# Altium PCB WIFI_HOME_SECURITY_SYS-V01.PcbDoc (part 1 of 3) (continued)
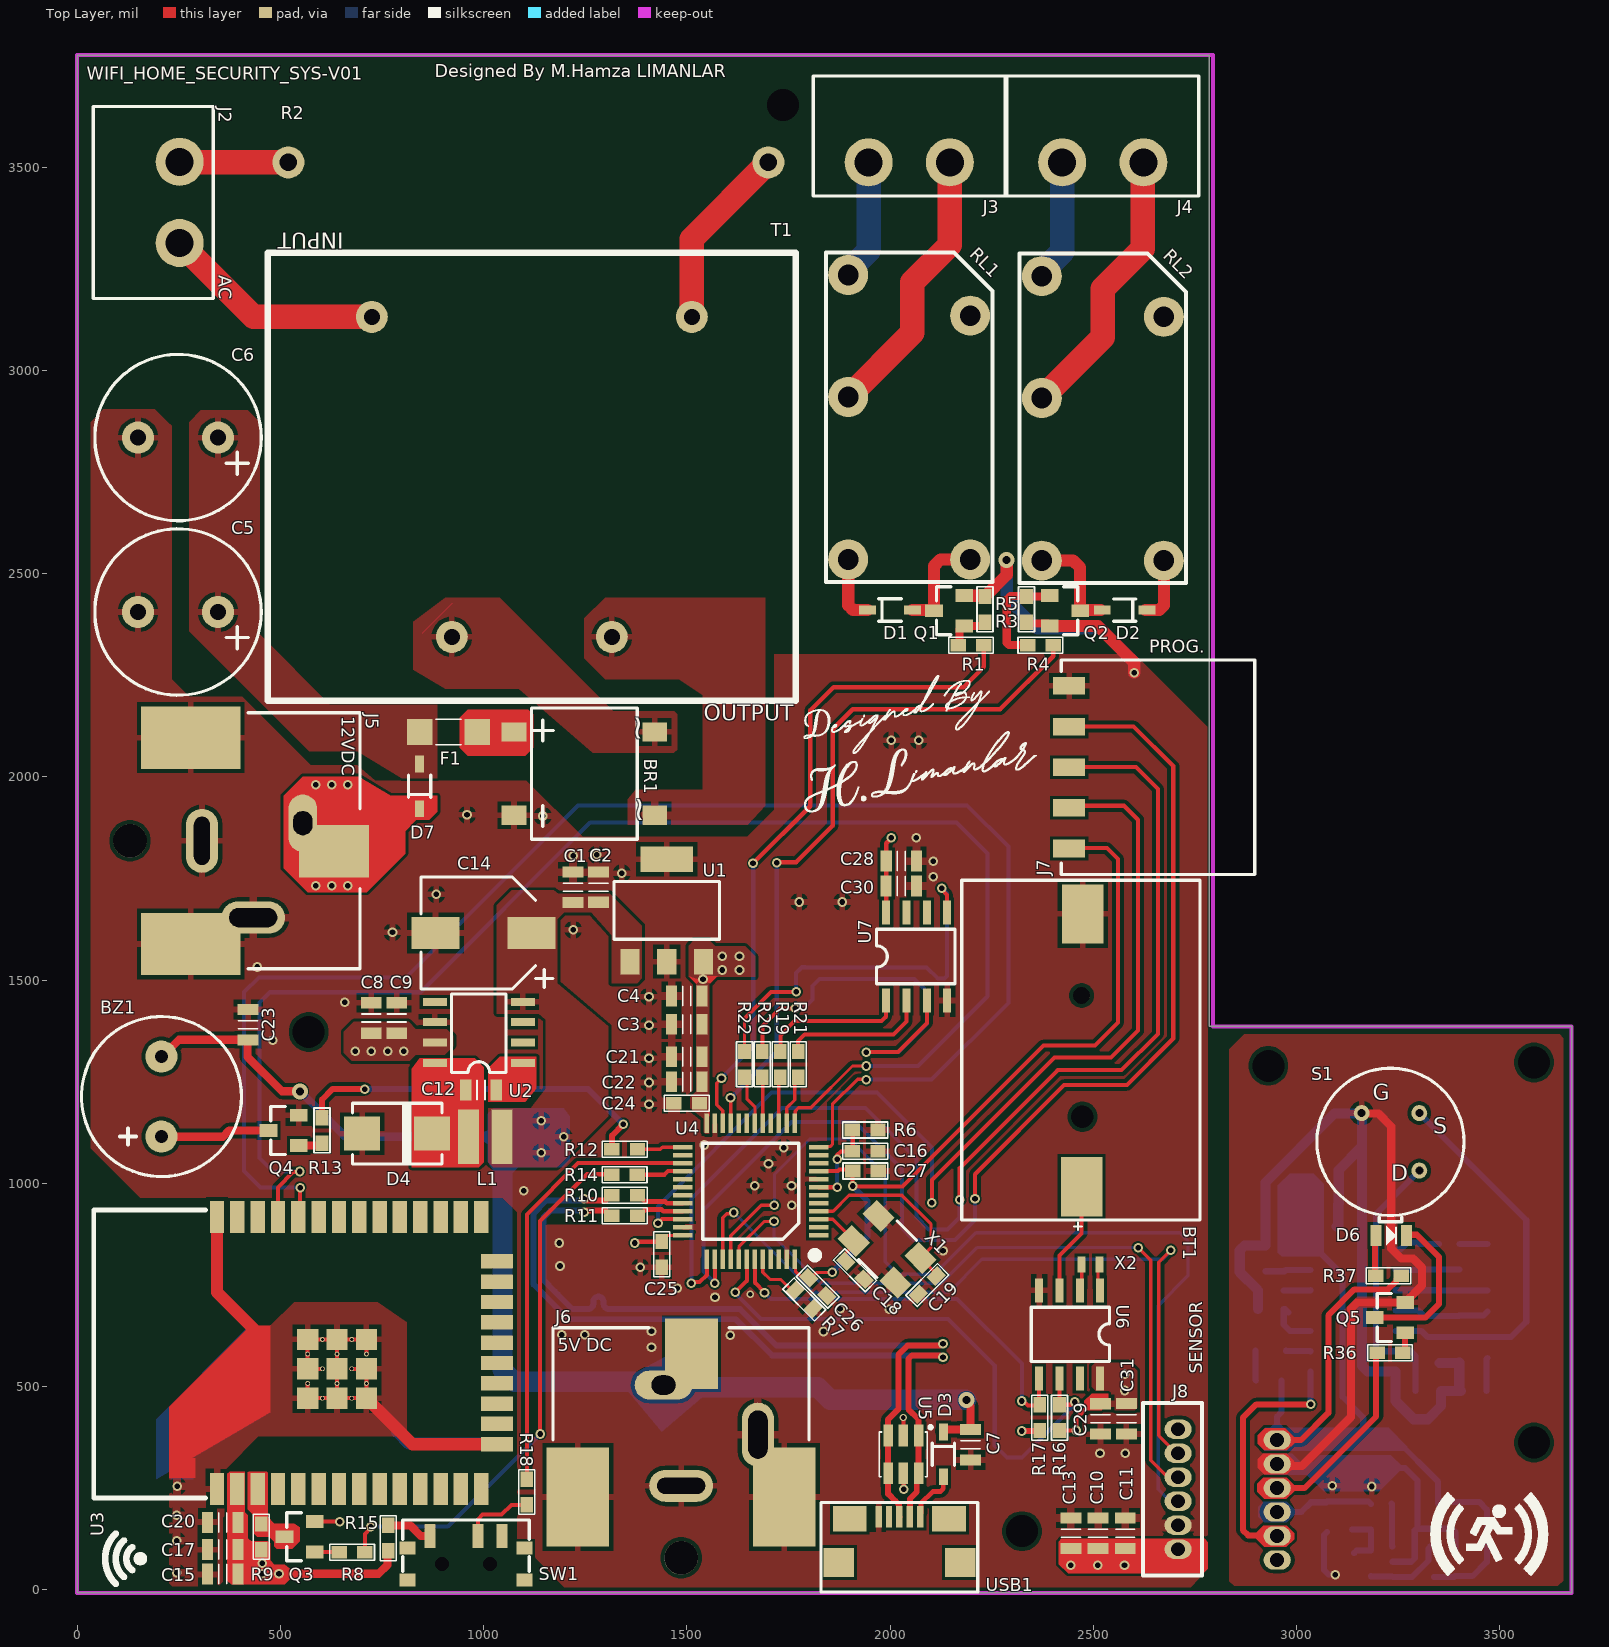
[diagram p0: Top Layer view]
## Design rules (kind name [scope] priority, off if disabled: settings)
Clearance [All] p1: gap=7 ignorepadtopadclearanceinfootprint=TRUE except(0: Arc-Text Track-Text SMDPad-Text THPad-Text Via-Text Fill-Text Poly-Text Region-Text Text-Text Text-Hole; 2: Via-Fill Via-Poly Via-Region; 8: SMDPad-SMDPad SMDPad-THPad THPad-THPad; 9: Arc-Fill Arc-Poly Arc-Region Arc-Hole Track-Fill Track-Poly Track-Region Track-Hole SMDPad-Hole THPad-Fill THPad-Poly THPad-Region THPad-Hole Via-Hole Fill-Hole Poly-Hole Region-Hole; 10: Arc-THPad Track-THPad SMDPad-Via THPad-Via Via-Via)
ComponentClearance [All] p1: gap=5 collisioncheckmode=3 verticalgap=0 showdistances=FALSE
DiffPairsRouting [InDifferentialPair('MCU_USB')] p1: maxlimit=8.2 minlimit=8.2 mostfreqgap=8.2 toplayer_minwidth=12 toplayer_maxwidth=12 toplayer_prefwidth=12 bottomlayer_minwidth=12 bottomlayer_maxwidth=12 bottomlayer_prefwidth=12 impedanceprofiledriven=TRUE impedanceprofileid={E4C16ACB-F31E-4A5A-8822-2CF3088C9518} impedanceprofilevalue=90.000000 maxuncoupledlength=500
DiffPairsRouting DiffPairsRouting_1 [All] p2: maxlimit=10 minlimit=10 mostfreqgap=10 toplayer_minwidth=14.7 toplayer_maxwidth=14.7 toplayer_prefwidth=14.7 bottomlayer_minwidth=14.7 bottomlayer_maxwidth=14.7 bottomlayer_prefwidth=14.7 impedanceprofiledriven=TRUE impedanceprofileid={B67E9D03-1B29-4825-BEE4-B143490A4744} impedanceprofilevalue=90.000000 maxuncoupledlength=500
MinimumSolderMaskSliver [All] p1: minsoldermaskwidth=5
NetAntennae [All] p1: netantennaetolerance=10
PlaneClearance [All] p1: clearance=30
PlaneConnect [All] p1: planeconnectstyle=Relief reliefexpansion=15 reliefentries=4 reliefconductorwidth=15 reliefairgap=10
PolygonConnect [All] p1: connectstyle=Relief reliefconductorwidth=15 reliefentries=4 polygonreliefangle="90 Angle" airgapwidth=10
RoutingCorners [All] p1: cornerstyle=45-Degree minsetback=80 maxsetback=80
RoutingVias [All] p1: holewidth=11.81 width=19.68 viastyle="Through Hole" minholewidth=9.84 minwidth=15.75 maxholewidth=19.68 maxwidth=39.37
SMDEntry [All] p1: side=TRUE corner=FALSE anyangle=TRUE
SMDToCorner [All] p1: distance=0
SilkToSilkClearance [All] p1: silktosilkclearance=0
SilkToSolderMaskClearance [IsPad] p1 off: minsilkscreentomaskgap=5 clearancetoexposedcopper=TRUE
SolderMaskExpansion [All] p1: expansion=0.05 istentingtop=FALSE
UnRoutedNet [All] p1: checkbadconnections=TRUE
Width [All] p1: maxlimit=70 minlimit=8 preferedwidth=11 minimp=50.000000 maximp=50.000000 favimp=50.000000
20 further rules are at their usual default settings.

## Classes and differential pairs
component class Power_Managment: BR1 C1 C2 C3 C4 C5 C6 C7 C8 C9 C10 C11 C12 C13 C14 D1 D2 D3 D4 D7 F1 J2 J3 J4 J5 J6 J7 J8 L1 Q1 Q2 R1 R2 R3 R4 R5 RL1 RL2 T1 U1 USB1
component class MCU: BZ1 C15 C16 C17 C18 C19 C20 C21 C22 C23 C24 C25 C26 C27 C28 C29 C30 C31 Q3 Q4 R6 R7 R8 R9 R10 R11 R12 R13 R14 R15 R16 R17 R18 R19 R20 R22 SW1 U3 U4 U5 U6 U7 X1 X2
component class AUX_Sensor_Board: C32 C33 C34 C35 C36 C37 C38 C39 C40 C41 C42 C43 C44 C45 C46 D5 D6 Q5 R23 R24 R25 R26 R27 R28 R29 R30 R31 R32 R33 R34 R35 R36 R37 RT1 S1 U8 U9
differential pair MCU_USB: +MCU_USB_P -MCU_USB_N
differential pair USB: +USB_P -USB_N

## Components (designator, comment, footprint, x,y, rotation, side; value= is the part's Value field where it differs from the comment)
BR1 "DB105STR" DB105STR 1248.03,2007.87 r90 top
BT1 "FOR CR1220" 1056 2473,1327 r270 top
BZ1 "CMI-9605IC-0580T" CMI-9605IC 207.28,1213.19 r180 top
C1 "CL21B105KBFNNNE" CAP_0805 1219.88,1728.15 r270 top
C2 "CL21B104KBCNNNC" CAP_0805 1282.48,1728.54 r270 top
C3 "CL21A475KAQNNNE" CAP_0805 1500,1391.14 r0 top
C4 "CL21B105KBFNNNE" CAP_0805 1500,1460.63 r0 top
C5 "ESH477M050AH4AA" CAP_RADIAL_D10_P5 248.03,2405.51 r180 top
C6 "ESH477M050AH4AA" CAP_RADIAL_D10_P5 248.03,2834.65 r180 top
C7 "CL21A475KAQNNNE" CAP_0805 2198.23,356.3 r90 top
C8 "CL21B105KBFNNNE" CAP_0805 723.43,1406.5 r270 top
C9 "CL21B104KBCNNNC" CAP_0805 786.42,1406.5 r270 top
C10 "CL21A475KAQNNNE" CAP_0805 2512.07,138.69 r270 top
C11 "CL21A475KAQNNNE" CAP_0805 2579,138.69 r270 top
C12 "CL21B104KBCNNNC" CAP_0805 993.57,1229.37 r180 top
C13 "CL21B105KBFNNNE" CAP_0805 2445.14,138.69 r270 top
C14 "EEV686M035A9HAA" CAP_EEVseries 999.8,1615.75 r180 top
C15 "CL21A475KAQNNNE" CAP_0805 358.27,38.19 r0 top
C16 "C0603C104K5RACTU" CAP_0603 1939,1078.83 r180 top
C17 "CL21B105KBFNNNE" CAP_0805 358.27,98.33 r0 top
C18 "CL10C200JB8NNNC" CAP_0603 1913.78,785.83 r135 top
C19 "CL10C200JB8NNNC" CAP_0603 2091.79,749.28 r225 top
C20 "CL21B104KBCNNNC" CAP_0805 358.27,165.35 r0 top
C21 "CL21A475KAQNNNE" CAP_0805 1500,1311.02 r0 top
C22 "CL21B105KBFNNNE" CAP_0805 1499.8,1249.8 r0 top
C23 "CL21B104KBCNNNC" CAP_0805 420.47,1389.96 r270 top
C24 "C0603C104K5RACTU" CAP_0603 1499.8,1197.05 r0 top
C25 "C0603C104K5RACTU" CAP_0603 1437.99,825 r90 top
C26 "C0603C104K5RACTU" CAP_0603 1822,745 r135 top
C27 "C0603C104K5RACTU" CAP_0603 1939.37,1029.92 r180 top
C28 "CL21B105KBFNNNE" CAP_0805 2027.95,1792.52 r180 top
C29 "CL21B104KBCNNNC" CAP_0805 2518,420 r90 top
C30 "CL21B104KBCNNNC" CAP_0805 2027.76,1731.3 r180 top
C31 "CL21B105KBFNNNE" CAP_0805 2581.69,420.28 r90 top
C32 "0603B103K160CT" CAP_0603 3352.06,704.96 r90 bottom
C33 "C3216X5R1E336M160AC" CAP_1206 3469.95,626.94 r90 bottom
C34 "C3216X5R1E336M160AC" CAP_1206 3470.05,793.33 r270 bottom
C35 "C0603C104K5RACTU" CAP_0603 3324.41,488.98 r180 bottom
C36 "0603B103K160CT" CAP_0603 3298.67,818.9 r270 bottom
C37 "CL21A475KAQNNNE" CAP_0805 3104.92,90.16 r0 bottom
C38 "C0603C104K5RACTU" CAP_0603 3352.17,589.37 r90 bottom
C39 "CL21B105KBFNNNE" CAP_0805 3075.39,179.53 r90 bottom
C40 "C0603C104K5RACTU" CAP_0603 3389.76,64.57 r270 bottom
C41 "C0603C104K5RACTU" CAP_0603 2923.82,814.96 r270 bottom
C42 "C0603C104K5RACTU" CAP_0603 3066.93,893.7 r180 bottom
C43 "CL21B105KBFNNNE" CAP_0805 3066.73,949.02 r180 bottom
C44 "CL21A475KAQNNNE" CAP_0805 3078.74,330.71 r90 bottom
C45 "CL21A475KAQNNNE" CAP_0805 3141.73,330.71 r90 bottom
C46 "CL21B105KBFNNNE" CAP_0805 3204.72,330.71 r90 bottom
D1 "1N4148WS" SOD323F 2000,2410.41 r0 top
D2 "1N4148WS" SOD323F 2577.56,2410.24 r180 top
D3 "1N4148WS" SOD323F 2131.3,332.68 r270 top
D4 "1SMB5919BT3G" SMB 787.4,1122.05 r180 top
D5 "LTST-C171GKT" LED_GREEN_0805 2937.01,587.8 r180 bottom
D6 "LH R974-LP-1" LED_RED_0805 3233.36,871.26 r180 top
D7 "1N4148WS" SOD323F 842.52,1976.38 r90 top
F1 "3413.0216.22" 3413.0216.22 913.39,2110.24 r0 top
J2 "TBP01R1-508-02BE" TBP01R1-508 251.97,3413.39 r270 top
J3 "TBP01R1-508-02BE" TBP01R1-508 2047.24,3511.81 r180 top
J4 "TBP01R1-508-02BE" TBP01R1-508 2523.62,3511.81 r180 top
J5 "PJ-037AH-SMT-TR" JACK 380.91,1842.52 r0 top
J6 "PJ-037AH-SMT-TR" JACK 1486.06,329.15 r90 top
J7 "SMH-105-02-L-S" PINHEADER1X5_RA 2440.94,2023.62 r90 top
J8 "64800611622" 64800611622 2708.92,246.95 r90 top
J9 "64800611622" 64800611622 2952.76,220.47 r270 bottom
L1 "78438335470" IND_1212 1003.94,1114.17 r0 top
Q1 "MMBT3904-7-F" SOT-23F 2145.56,2408.77 r90 top
Q2 "MMBT3904-7-F" SOT-23F 2430.5,2408.77 r270 top
Q3 "MMBT3904-7-F" SOT-23F 547.24,129.92 r90 top
Q4 "MMBT3904-7-F" SOT-23F 507.87,1129.92 r90 top
Q5 "MMBT3904-7-F" SOT-23F 3230.32,669.29 r90 top
R1 "RC0603FR-0710KL" RES_0603#1 2199.34,2323.87 r180 top
R2 "5WD27" RES_AXIAL_W 1110.24,3511.81 r0 top
R3 "RC0603FR-0710KL" RES_0603#1 2233.76,2412.16 r270 top
R4 "RC0603FR-0710KL" RES_0603#1 2370.08,2323.87 r180 top
R5 "RC0603FR-0710KL" RES_0603#1 2335.97,2412.16 r90 top
R6 "RC0603JR-07100RL" RES_0603#1 1939,1131 r180 top
R7 "RC0603JR-07100RL" RES_0603#2 1789,714 r135 top
R8 "RC0603JR-07100RL" RES_0603#1 676.38,91.54 r180 top
R9 "RC0603FR-0710KL" RES_0603#1 452.76,129.92 r90 top
R10 "RC0603JR-0715RL" RES_0603#1 1347.24,970 r180 top
R11 "RC0603JR-0715RL" RES_0603#1 1347.24,920 r180 top
R12 "RC0603JR-07100RL" RES_0603#1 1347.24,1083.46 r180 top
R13 "RC0603JR-07100RL" RES_0603#1 602.36,1129.92 r270 top
R14 "RC0603JR-07100RL" RES_0603#1 1346.85,1020.87 r180 top
R15 "RC0603JR-07100RL" RES_0603#1 765.55,126.57 r90 top
R16 "RC0603JR-074K7L" RES_0603#1 2417.13,423.03 r90 top
R17 "RC0603JR-074K7L" RES_0603#1 2368.11,423.03 r90 top
R18 "RC0603JR-07100RL" RES_0603#1 1106.3,240.16 r90 top
R19 "RC0603JR-07100RL" RES_0603#1 1730.32,1292.52 r270 top
R20 "RC0603JR-07100RL" RES_0603#1 1686.02,1292.52 r270 top
R21 "RC0603JR-07100RL" RES_0603#1 1774.02,1292.52 r270 top
R22 "RC0603JR-07100RL" RES_0603#1 1641.93,1292.52 r270 top
R23 "RC0603FR-0710KL" RES_0603#1 3436.02,488.98 r0 bottom
R24 "RC0603FR-0710KL" RES_0603#1 3266.93,149.8 r180 bottom
R25 "RC0603JR-07560KL" RES_0603#1 3400.58,705.58 r90 bottom
R26 "RC0603FR-0710KL" RES_0603#1 3401.57,818.9 r90 bottom
R27 "RC0603JR-07560KL" RES_0603#1 3350.39,818.9 r270 bottom
R28 "RC0603FR-0710KL" RES_0603#1 3183.07,64.37 r90 bottom
R29 "RC0603JR-0743KL" RES_0603#1 3400.59,590.16 r90 bottom
R30 "RC0603JR-07220KL" RES_0603#1 3136.42,178.94 r90 bottom
R31 "RC0603JR-07220KL" RES_0603#1 3183.66,178.94 r90 bottom
R32 "RC0603JR-070RL" RES_0603#1 2937.4,690.16 r0 bottom
R33 "RC0603JR-070RL" RES_0603#1 2937.01,736.22 r0 bottom
R34 "RC0603FR-0710KL" RES_0603#1 2931.69,514.96 r0 bottom
R35 "RC0603JR-07220KL" RES_0603#1 2970.28,814.76 r90 bottom
R36 "RC0603FR-0710KL" RES_0603#1 3230.32,582.68 r0 top
R37 "RC0603JR-07100RL" RES_0603#1 3226.57,771.85 r0 top
RL1 "ALQ112" ALQ112 2047.24,2884.63 r90 top
RL2 "ALQ112" ALQ112 2523.62,2881.89 r90 top (schematic designator RL?)
RT1 "TFPT1206L1002FM" RES_1206 3291.14,211.42 r0 bottom
S1 "LHI 878/3902" "LHI 878" 3231.5,1101.77 r0 top
SW1 "EG1215AA" EG1215AA 956.69,62.99 r0 top
T1 "BV302S12010-ZU" BV302S 1118.62,2737.88 r0 top
U1 "AP7361-33E-13" SOT223 1450.79,1671.26 r0 top
U2 "LM2675MX-12/NOPB" SOIC8 988.19,1371.06 r90 top
U3 "ESP32-WROOM-32" ESP32-32 551.18,582.68 r90 top
U4 "STM32F103C6T6A" LQFP-48 1657.48,980.32 r90 top
U5 "USBLC6-2SC6" SOT23-6L 2032.87,332.68 r270 top
U6 "M41T00M6F" SOIC8 2442,628 r180 top
U7 "MAX6662" SOIC8 2065.55,1557.87 r0 top
U8 "OPA314AIDBVR" SOT23-5 3287.4,68.5 r0 bottom
U9 "NCS36000DRG" SOIC14 3139.37,686.61 r180 bottom
USB1 "10118192-0001LF" MICRO_B_USB 2023.03,179.13 r0 top
X1 "ECS-160-20-30B-TR" ECS 1992.91,837.4 r135 top
X2 "ABS05-32.768KHZ-T" ABS05 2493.31,799.61 r0 top

## Footprints (in the part's own frame and the unit in brackets; to place one, negate y for a bottom-side part, rotate by r counter-clockwise, add the part's x,y. Pads: shape width x height; smd on the part's side, far side on the other; paste and mask are expansions set on the pad)
1056 [mm] "BATTERY HOLDER FOR CR1220"
  rect 3.7x2.6 smd mask+0.05: 1(8.525,-0.037) 2(-8.525,0.038)
  round 1 hole 1.07 mask+0.05: ""(-3.425,-0.037)
  round 1 hole 1.4 mask+0.05: ""(4.15,0.013)
  silkscreen extent -10.63,-7.52 11.22,7.37, body extent -8.75,-7.44 10.05,7.31, height 4.53
3413.0216.22 [mm]
  rect 1.6x1.6 smd mask+0.05: 1(-1.8,0) 2(1.8,0)
  silkscreen extent -0.8,-0.8 0.8,0.8, body extent -1.61,-0.8 1.61,0.8, height 0.64
64800611622 [mm]
  oval 1.2x1.7 hole 0.87 mask+0.05: 1(-3.75,0) 2(-2.25,0) 3(-0.75,0) 4(0.75,0) 5(2.25,0) 6(3.75,0)
  silkscreen extent -5.4,-1.5 5.4,2.2, body extent -5.25,-1.4 5.25,2.1, height 4.75
ABS05 [mm]
  rect 0.5x1 smd mask+0.05: 1(-0.55,0) 2(0.55,0)
  body extent -0.8,-0.5 0.8,0.5, height 0.5
ALQ112 [mm]
  round 2.5 hole 1.3 mask+0.05: 1(6.35,-3.81) 2(1.27,3.81) 3(8.89,3.81) 4(-8.89,-3.81) 5(-8.89,3.81)
  silkscreen extent -10.3,-5.2 10.3,5.2, body extent -10,-4.98 10,5.02, height 15.6
BV302S [mm]
  round 2 hole 1 mask+0.05: 1(10,10) 5(-10,10) 7(-5,-10) 9(5,-10)
  silkscreen extent -16.5,-14 16.5,14, body extent -16.25,-13.75 16.25,13.75, height 21.8
CAP_0603 [mil]
  rect 38x31 smd mask+1.97: 1(-31.5,0) 2(31.5,0)
  silkscreen extent -55,-20 55,20, body extent -41,-22 41,18, height 31
CAP_0805 [mm]
  rect 0.7x1.3 smd mask+0.05: 1(-0.95,0) 2(0.95,0)
  silkscreen extent -0.25,-0.6 0.25,0.6, body extent -1.3,-0.68 1.3,0.68, height 0.9
CAP_1206 [mm]
  rect 0.9x1.6 smd mask+0.05: 1(-1.45,0) 2(1.45,0)
  silkscreen extent -0.3,-0.8 0.3,0.8, body extent -1.97,-0.98 1.97,0.98, height 1.3
CAP_EEVseries [mm]
  rect 3x2 smd mask+0.05: 1(-3,0) 2(3,0)
  silkscreen extent -4.35,-3.5 3.9,3.5, body extent -3.8,-3.4 3.8,3.4, height 8.01
CAP_RADIAL_D10_P5 [mm]
  round 2 hole 1 mask+0.05: 1(-2.5,0) 2(2.5,0)
  silkscreen extent -5.2,-5.2 5.2,5.2, body extent -5.25,-5.25 5.25,5.25, height 22.2
CMI-9605IC [mm]
  round 2 hole 0.8 mask+0.05: 1(0,2.5) 2(0,-2.5)
  silkscreen extent -5,-5 5,5, body extent -4.8,-4.8 4.8,5.8, height 5.2
DB105STR [mm]
  rect 1.2x1.55 smd mask+0.05: 1(-2.605,-4.4) 3(2.605,4.4) 4(-2.605,4.4)
  rect 1.2x1.55 smd: 2(2.605,-4.4)
  silkscreen extent -4.1,-3.3 4.1,3.3, body extent -4.16,-5.2 4.16,5.2, height 2.66
ECS [mm]
  rect 1.6x1.25 smd mask+0.05: 1(-1.85,-1.1) 2(1.85,-1.1) 3(1.85,1.1) 4(-1.85,1.1)
  silkscreen extent -0.9,-1.7 0.8,1.7, body extent -2.5,-1.6 2.5,1.6, height 0.85
EG1215AA [mm]
  rect 0.7x1.5 smd mask+0.05: 1(-2.25,1.75) 2(0.75,1.75) 3(2.25,1.75)
  rect 1x0.8 smd mask+0.05: ""(-3.65,-1) ""(-3.65,1) ""(3.65,-1) ""(3.65,1)
  round 0 hole 0.9 mask+0.05: ""(-1.5,0) ""(1.5,0)
  silkscreen extent -3.95,-0.45 3.95,2.75, body extent -3.85,-2.7 3.85,2.2, height 1.38
ESP32-32 [mm]
  rect 2x0.9 smd mask+0.05: 1(-8.5,5.26) 2(-8.5,3.99) 3(-8.5,2.72) 4(-8.5,1.45) 5(-8.5,0.18) 6(-8.5,-1.09) 7(-8.5,-2.36) 8(-8.5,-3.63) 9(-8.5,-4.9) 10(-8.5,-6.17) 11(-8.5,-7.44) 12(-8.5,-8.71) 13(-8.5,-9.98) 14(-8.5,-11.25) 25(8.5,-11.25) 26(8.5,-9.98) 27(8.5,-8.71) 28(8.5,-7.44) 29(8.5,-6.17) 30(8.5,-4.9) 31(8.5,-3.63) 32(8.5,-2.36) 33(8.5,-1.09) 34(8.5,0.18) 35(8.5,1.45) 36(8.5,2.72) 37(8.5,3.99) 38(8.5,5.26)
  rect 0.9x2 smd mask+0.05: 15(-5.715,-12.25) 16(-4.445,-12.25) 17(-3.175,-12.25) 18(-1.905,-12.25) 19(-0.635,-12.25) 20(0.635,-12.25) 21(1.905,-12.25) 22(3.175,-12.25) 23(4.445,-12.25) 24(5.715,-12.25)
  rect 1.33x1.33 smd mask+0.05: 39(-2.835,-2.24) 39(-2.835,-0.405) 39(-2.835,-4.075) 39(-1,-0.405) 39(-1,-4.075) 39(-1,-2.24) 39(0.835,-0.405) 39(0.835,-4.075) 39(0.835,-2.24)
  round 0.3 hole 0.2 mask+0.05: 39(-2.835,-1.322) 39(-2.835,-3.157) 39(-1.917,-2.24) 39(-1.917,-0.405) 39(-1.917,-4.075) 39(-1,-1.322) 39(-1,-3.157) 39(-0.082,-0.405) 39(-0.082,-2.24) 39(-0.082,-4.075) 39(0.835,-1.322) 39(0.835,-3.157)
  silkscreen extent -9.07,5.97 8.93,12.97, body extent -8.97,-12.6 8.93,12.8, height 2.61
IND_1212 [mm]
  rect 1.3x3.4 smd mask+0.05: 1(-1.05,0) 2(1.05,0)
  body extent -1.5,-1.5 1.5,1.5, height 1.2
JACK [mm]
  oval 1.8x3.6 hole 1.2 slot 1.5 at 90 deg: 1(4.425,1.1)
  rect 4.4x3.3 smd: 1(6.375,-0.65)
  rect 6.2x3.9 smd: 2(-2.575,6.45) 3(-2.575,-6.45)
  oval 2x4 hole 1 slot 3 at 90 deg: 2(-1.875,0)
  oval 4x2 hole 1.2 slot 3 at 0 deg: 3(1.325,-4.8)
  round 2.1 hole 2.1 unplated: ""(-6.375,0)
  silkscreen extent 1,-8 8,8, body extent -9.48,-7.75 7.62,7.45, height 11.1
LED_GREEN_0805 [mm]
  rect 0.7x1.3 smd mask+0.05: 1(-0.95,0) 2(0.95,0)
  silkscreen extent -0.3,-0.6 0.3,0.6, body extent -1.01,-0.63 1.01,0.62, height 1.1
LED_RED_0805 [mm]
  rect 0.7x1.3 smd mask+0.05: 1(-0.95,0) 2(0.95,0)
  silkscreen extent -0.3,-0.6 0.3,0.6, body extent -1.01,-0.63 1.01,0.62, height 1.1
"LHI 878" [mm]
  round 1 hole 0.5 mask+0.05: 1(1.8,-1.8) 2(1.8,1.8) 3(-1.8,1.8)
  silkscreen extent -4.6,-5 4.6,4.6, body extent -4.6,-5.03 4.6,4.6, height 4.6
LQFP-48 [mm] "7mm x 7mm"
  rect 0.3x1.2 smd mask+0.05: 1(-2.75,-4.25) 2(-2.25,-4.25) 3(-1.75,-4.25) 4(-1.25,-4.25) 5(-0.75,-4.25) 6(-0.25,-4.25) 7(0.25,-4.25) 8(0.75,-4.25) 9(1.25,-4.25) 10(1.75,-4.25) 11(2.25,-4.25) 12(2.75,-4.25) 25(2.75,4.25) 26(2.25,4.25) 27(1.75,4.25) 28(1.25,4.25) 29(0.75,4.25) 30(0.25,4.25) 31(-0.25,4.25) 32(-0.75,4.25) 33(-1.25,4.25) 34(-1.75,4.25) 35(-2.25,4.25) 36(-2.75,4.25)
  rect 1.2x0.3 smd mask+0.05: 13(4.25,-2.75) 14(4.25,-2.25) 15(4.25,-1.75) 16(4.25,-1.25) 17(4.25,-0.75) 18(4.25,-0.25) 19(4.25,0.25) 20(4.25,0.75) 21(4.25,1.25) 22(4.25,1.75) 23(4.25,2.25) 24(4.25,2.75) 37(-4.25,2.75) 38(-4.25,2.25) 39(-4.25,1.75) 40(-4.25,1.25) 41(-4.25,0.75) 42(-4.25,0.25) 43(-4.25,-0.25) 44(-4.25,-0.75) 45(-4.25,-1.25) 46(-4.25,-1.75) 47(-4.25,-2.25) 48(-4.25,-2.75)
  silkscreen extent -4.2,-4.2 3,3, body extent -4.45,-4.45 4.55,4.55, height 1.5
MICRO_B_USB [mm]
  rect 0.4x1.35 smd mask+0.05: 1(1.3,0) 2(0.65,0) 3(0,0) 4(-0.65,0) 5(-1.3,0)
  rect 1.9x1.8 smd mask+0.05: ""(-3.8,-2.85) ""(3.8,-2.85)
  rect 2.1x1.6 smd mask+0.05: ""(-3.1,-0.122) ""(3.1,-0.122)
  silkscreen extent -4.9,-4.7 4.9,0.9, body extent -3.96,-5.46 3.96,0.2, height 2.79
PINHEADER1X5_RA [mm]
  rect 1.1x2 smd mask+0.05: 1(-5.08,0) 2(-2.54,0) 3(0,0) 4(2.54,0) 5(5.08,0)
  silkscreen extent -6.7,-11.6 6.7,0.5, body extent -6.6,-11.51 6.6,0.43, height 2.41
RES_0603#1 [mil]
  rect 38x31 smd mask+1.97: 1(-31.5,0) 2(31.5,0)
  silkscreen extent -55,-20 55,20, body extent -39,-19 39,20, height 17
RES_0603#2 [mil]
  rect 31x38 smd mask+1.97: 1(-31.5,0) 2(31.5,0)
  silkscreen extent -55,-20 55,20, body extent -39,-19 39,20, height 17
RES_1206 [mm]
  rect 0.9x1.6 smd mask+0.05: 1(-1.45,0) 2(1.45,0)
  silkscreen extent -0.75,-0.8 0.75,0.8, body extent -1.98,-0.94 1.98,0.94, height 0.55
RES_AXIAL_W [mm]
  round 2 hole 1.1 mask+0.05: 1(-15,0) 2(15,0)
  body extent -15.4,-4.83 15.4,4.83, height 9.65
SMB [mm]
  rect 2.25x2.12 smd mask+0.05: A(2.185,0) C(-2.185,0)
  silkscreen extent -2.8,-1.9 2.8,1.9, body extent -2.72,-1.78 2.72,1.78, height 2.44
SOD323F [mm]
  rect 1.05x0.55 smd mask+0.05: 1(-1.4,0) 2(1.4,0)
  silkscreen extent -0.7,-0.7 0.7,0.7, body extent -1.25,-0.67 1.25,0.68, height 1
SOIC8 [mm]
  rect 0.5x1.5 smd mask+0.05: 1(-1.905,-2.75) 2(-0.635,-2.75) 3(0.635,-2.75) 4(1.905,-2.75) 5(1.905,2.75) 6(0.635,2.75) 7(-0.635,2.75) 8(-1.905,2.75)
  silkscreen extent -2.5,-1.7 2.4,1.7, body extent -2.45,-3 2.45,3, height 1.75
SOIC14 [mm]
  rect 1.18x0.58 smd mask+0.05: 1(-2.66,3.81) 2(-2.66,2.54) 3(-2.66,1.27) 4(-2.66,0) 5(-2.66,-1.27) 6(-2.66,-2.54) 7(-2.66,-3.81) 8(2.66,-3.81) 9(2.66,-2.54) 10(2.66,-1.27) 11(2.66,0) 12(2.66,1.27) 13(2.66,2.54) 14(2.66,3.81)
  silkscreen extent -1.8,-4.5 1.8,4.4, body extent -3,-4.4 3,4.4, height 1.7
SOT23-5 [mm]
  rect 1.1x0.6 smd mask+0.05: 1(-1.3,0.95) 2(-1.3,0) 3(-1.3,-0.95) 4(1.3,-0.95) 5(1.3,0.95)
  silkscreen extent -0.6,-1.4 0.6,1.4, body extent -1.4,-1.45 1.4,1.45, height 1.45
SOT23-6L [mm]
  rect 1.36x0.6 smd mask+0.05: 1(-1.175,0.95) 2(-1.175,0) 3(-1.175,-0.95) 4(1.175,-0.95) 5(1.175,0) 6(1.175,0.95)
  silkscreen extent -1.8,-1.5 1.4,1.8, body extent -1.4,-1.46 1.4,1.46, height 1.45
SOT223 [mm]
  rect 1.2x1.6 smd mask+0.05: 1(-2.3,-3.2) 2(0,-3.2) 3(2.3,-3.2)
  rect 3.3x1.6 smd mask+0.05: 2(0,3.2)
  silkscreen extent -3.3,-1.8 3.3,1.8, body extent -3.25,-3.48 3.25,3.48, height 1.65
SOT-23F [mm]
  rect 0.8x1.1 smd mask+0.05: 1(-0.95,-0.945) 2(0.95,-0.945) 3(0,0.945)
  silkscreen extent -1.5,-0.1 1.5,0.8, body extent -1.5,-1.42 1.5,1.42, height 1.2
TBP01R1-508 [mm]
  round 3 hole 1.75 mask+0.05: 1(-2.54,0) 2(2.54,0)
  silkscreen extent -6,-5.4 6,2.1, body extent -5.88,-10 5.88,2, height 8.55

## Part data
BR1: "Bridge Diode AC-DC", Manufacturer="Sangdest Microelectronics", Max Current=1A, Operating Voltage=600V, Supplier Part Number 1=1655-1821-1-ND, Designed by=M.HamzaLimanlar, Manufacturer Part Number=DB105STR, RoHS=No, Supplier 1=Digi-Key
BT1: library part 1056, "BATT HOLDER COIN 12.5MM 1CEL SMD", Manufacturer="Adam Equipment", Manufacturer Part Number=BH-44A-5, Supplier Part Number 1=2057-BH-44A-5-ND, Category=Uncategorized, ComponentLink1Description=https://datasheet.ciiva.com/18491/1056-18491289.pdf?src-supplier=Digi-Key, ComponentLink1URL=https://datasheet.ciiva.com/18491/1056-18491289.pdf?src-supplier=Digi-Key, ComponentLink2Description=https://datasheet.ciiva.com/26923/getdatasheetpartid-755844-26923850.pdf?src-supplier=Verical, ComponentLink2URL=https://datasheet.ciiva.com/26923/getdatasheetpartid-755844-26923850.pdf?src-supplier=Verical, ComponentLink3Description=https://datasheet.ciiva.com/16220/m60-2p2-16220480.pdf?src-supplier=Future+Electronics, ComponentLink3URL=https://datasheet.ciiva.com/16220/m60-2p2-16220480.pdf?src-supplier=Future+Electronics, Pricing 1="1=0.56000, 10=0.47400, 50=0.41640, 100=0.39270, 300=0.36177, 500=0.33996, 1000=0.31815, 2500=0.28906, 5000=0.26906 (USD)", Pricing 2="1=1.58000, 25=1.38320, 100=1.10400, 250=1.01548, 500=0.95298, 1000=0.89049, 2500=0.80717, 5000=0.73947 (USD)", RoHS=No, Stock 1=425, Stock 2=133307, Supplier 1=Digi-Key, Supplier 2=Digi-Key, Supplier Part Number 2=36-1056-ND
BZ1: "Buzzers Indicator, Internally Driven Magnetic 5V 30mA 2.7kHz 80dB @ 5V, 10cm Through Hole PC Pins", Case/Package=CMI-9605IC, Manufacturer="CUI Devices", Supplier Part Number 1=2223-CMI-9605IC-0580T-ND, Designed by=M.HamzaLimanlar, Manufacturer Part Number=CMI-9605IC-0580T, Pricing 1="1=1,41000, 10=1,17900, 25=1,09080, 50=1,02680, 100=0,96490, 500=0,83018, 1000=0,77805 (USD)", RoHS=No, Stock 1=1663, Supplier 1=Digi-Key
C1 C4 C8 C13 C17 C22 C28 C31 C39 C43 C46: library part "CAP CER 1uF 0805", "CAP CER 1uF %10 0805", Capacitance=1uF, Case Code (Imperial)=0805, Case Code (Metric)=2012, Dielectric=X7R, Manufacturer=Samsung, Max Operating Temperature=125°C, Min Operating Temperature=-55°C, Package Quantity=1, Supplier Part Number 1=1276-1029-2-ND, Tolerance=10%, Voltage=50V, Case/Package=0805, Category="Ceramic Capacitors", ComponentLink1Description=https://datasheet.ciiva.com/25800/cl21b105kbfnnne-25800291.pdf?src-supplier=Digi-Key, ComponentLink1URL=https://datasheet.ciiva.com/25800/cl21b105kbfnnne-25800291.pdf?src-supplier=Digi-Key, ComponentLink2Description=https://datasheet.ciiva.com/16449/cl21b105kbfnnne-16449003.pdf?src-supplier=Future+Electronics, ComponentLink2URL=https://datasheet.ciiva.com/16449/cl21b105kbfnnne-16449003.pdf?src-supplier=Future+Electronics, ComponentLink3Description=https://datasheet.ciiva.com/26838/getdatasheetpartid-354075-26838668.pdf?src-supplier=Verical, ComponentLink3URL=https://datasheet.ciiva.com/26838/getdatasheetpartid-354075-26838668.pdf?src-supplier=Verical, Construction=Flat, Depth=1.25mm, Designed by=M.HamzaLimanlar, Height=1.25mm, Length=2mm, Manufacturer Part Number=CL21B105KBFNNNE, Mount="Surface Mount", Packaging="Tape and Reel", Pricing 1="2000=0,02138, 4000=0,01956 (USD)", Radiation Hardening=No, RoHS=Yes, RoHS Compliant=Yes, Series=CL, Stock 1=958000, Supplier 1=Digi-Key, Thickness=0.053inch, Voltage Rating=50V, Width=0.049inch
C2 C9 C12 C20 C23 C29 C30: library part "CAP CER 100nF 0805", "CAP CER 100nF %10 0805", Capacitance=100nF, Case Code (Imperial)=0805, Case Code (Metric)=2012, Dielectric=X7R, Manufacturer=Samsung, Max Operating Temperature=125°C, Min Operating Temperature=-55°C, Supplier Part Number 1=1276-1003-1-ND, Tolerance=10%, Voltage=50V, Case/Package=0805, Category="Ceramic Capacitors", ComponentLink1Description=https://datasheet.ciiva.com/25710/cl21b104kbcnnnc-25710182.pdf?src-supplier=Digi-Key, ComponentLink1URL=https://datasheet.ciiva.com/25710/cl21b104kbcnnnc-25710182.pdf?src-supplier=Digi-Key, ComponentLink2Description=https://datasheet.ciiva.com/29199/454152-da-01-en-vs-kondensator-0805-29199814.pdf?src-supplier=Conrad, ComponentLink2URL=https://datasheet.ciiva.com/29199/454152-da-01-en-vs-kondensator-0805-29199814.pdf?src-supplier=Conrad, Construction=Flat, Contact Plating=Tin, Depth=1.25mm, Designed by=M.HamzaLimanlar, Height=0.85mm, Lead Free="Lead Free", Length=2mm, Manufacturer Part Number=CL21B104KBCNNNC, Material=Ceramic, Mount="Surface Mount", Packaging="Tape and Reel", Pricing 1="1=0,10000, 10=0,04700, 50=0,02560, 100=0,02090, 500=0,01494, 1000=0,01174 (USD)", Radiation Hardening=No, RoHS=Yes, RoHS Compliant=Yes, Series=CL, Stock 1=3371502, Supplier 1=Digi-Key, Thickness=0.037inch, Voltage Rating=50V, Voltage Rating (DC)=50V, Width=0.049inch
C3 C7 C10 C11 C15 C21 C37 C44 C45: library part "CAP CER 4.7uF 0805", "CAP CER 4.7uF %10 0805", Capacitance=4.7uF, Case Code (Imperial)=0805, Case Code (Metric)=2012, Dielectric=X5R, Manufacturer=Samsung, Max Operating Temperature=85°C, Min Operating Temperature=-55°C, Package Quantity=1, Supplier Part Number 1=1276-1244-1-ND, Tolerance=10%, Voltage Rating=25V, Case/Package=0805, Category="Ceramic Capacitors", ComponentLink1Description=https://datasheet.ciiva.com/25798/cl21a475kaqnnne-25798882.pdf?src-supplier=Digi-Key, ComponentLink1URL=https://datasheet.ciiva.com/25798/cl21a475kaqnnne-25798882.pdf?src-supplier=Digi-Key, Construction=Flat, Depth=1.25mm, Designed by=M.HamzaLimanlar, Height=1.25mm, Lead Free="Lead Free", Length=2mm, Manufacturer Part Number=CL21A475KAQNNNE, Mount="Surface Mount", Packaging="Tape and Reel", Pricing 1="1=0,11000, 10=0,08100, 50=0,04580, 100=0,03800, 500=0,02664, 1000=0,02205 (USD)", Radiation Hardening=No, RoHS=Yes, RoHS Compliant=Yes, Series=CL, Stock 1=1477018, Supplier 1=Digi-Key, Thickness=0.055inch, Voltage Rating (DC)=25V, Width=0.049inch
C5 C6: library part "CAP ALU ELEC 470uF 50V", "CAP ALU ELEC 470uF 50V RADIAL", Capacitance=470uF, Case/Package=Radial, Manufacturer=KEMET, Max Operating Temperature=105°C, Min Operating Temperature=-40°C, Supplier Part Number 1=399-15683-ND, Tolerance=20%, Voltage Rating=50V, ComponentLink1Description=https://api.kemet.com/component-edge/download/datasheet/ESH477M050AH4AA.pdf?src-supplier=Digi-Key, ComponentLink1URL=https://api.kemet.com/component-edge/download/datasheet/ESH477M050AH4AA.pdf?src-supplier=Digi-Key, Designed by=M.HamzaLimanlar, Life (Hours)=2000Hour, Manufacturer Part Number=ESH477M050AH4AA, Mount="Through Hole", Packaging=Bulk, Polarity=Polar, Pricing 1="1=0,59000, 10=0,41700, 50=0,31540, 100=0,27470, 500=0,20350, 1000=0,17298, 2500=0,16280, 5000=0,15262 (USD)", RoHS=No, RoHS Compliant=No, Stock 1=1181, Supplier 1=Digi-Key
C14: library part "CAP ALU 68uF", "Cap Aluminum Lytic 68uF 35V 20% (6.3 X 7.7mm) SMD 280mA 2000h 105C T/R", Capacitance=68uF, Case/Package=Radial, Manufacturer=KEMET, Max Operating Temperature=105°C, Min Operating Temperature=-40°C, Package Quantity=1, Ripple Current=196mA, Supplier Part Number 1=399-6722-1-ND, Tolerance=20%, Voltage Rating=35V, Category="Aluminum Electrolytic Capacitors", ComponentLink1Description=https://datasheet.ciiva.com/5365/kem-a4002-eev-535332-5365784.pdf?src-supplier=Mouser, ComponentLink1URL=https://datasheet.ciiva.com/5365/kem-a4002-eev-535332-5365784.pdf?src-supplier=Mouser, Designator by=M.HamzaLimanlar, Height - Seated (Max)=0.315inch, Impedance=340mR, Length=7.7mm, Life (Hours)=2000Hour, Manufacturer Part Number=EEV686M035A9HAA, Mount="Surface Mount", Packaging="Tape and Reel", Pricing 1="1=0,54000, 10=0,38000, 50=0,28740, 100=0,25040, 500=0,18546 (USD)", RoHS=Yes, RoHS Compliant=Yes, Series=EEV, Stock 1=543, Supplier 1=Digi-Key, Termination=SMD/SMT, Voltage Rating (DC)=35V